# Altium PCB TG102LE4G_A7682_240822.PcbDoc (part 2 of 2) (continued)
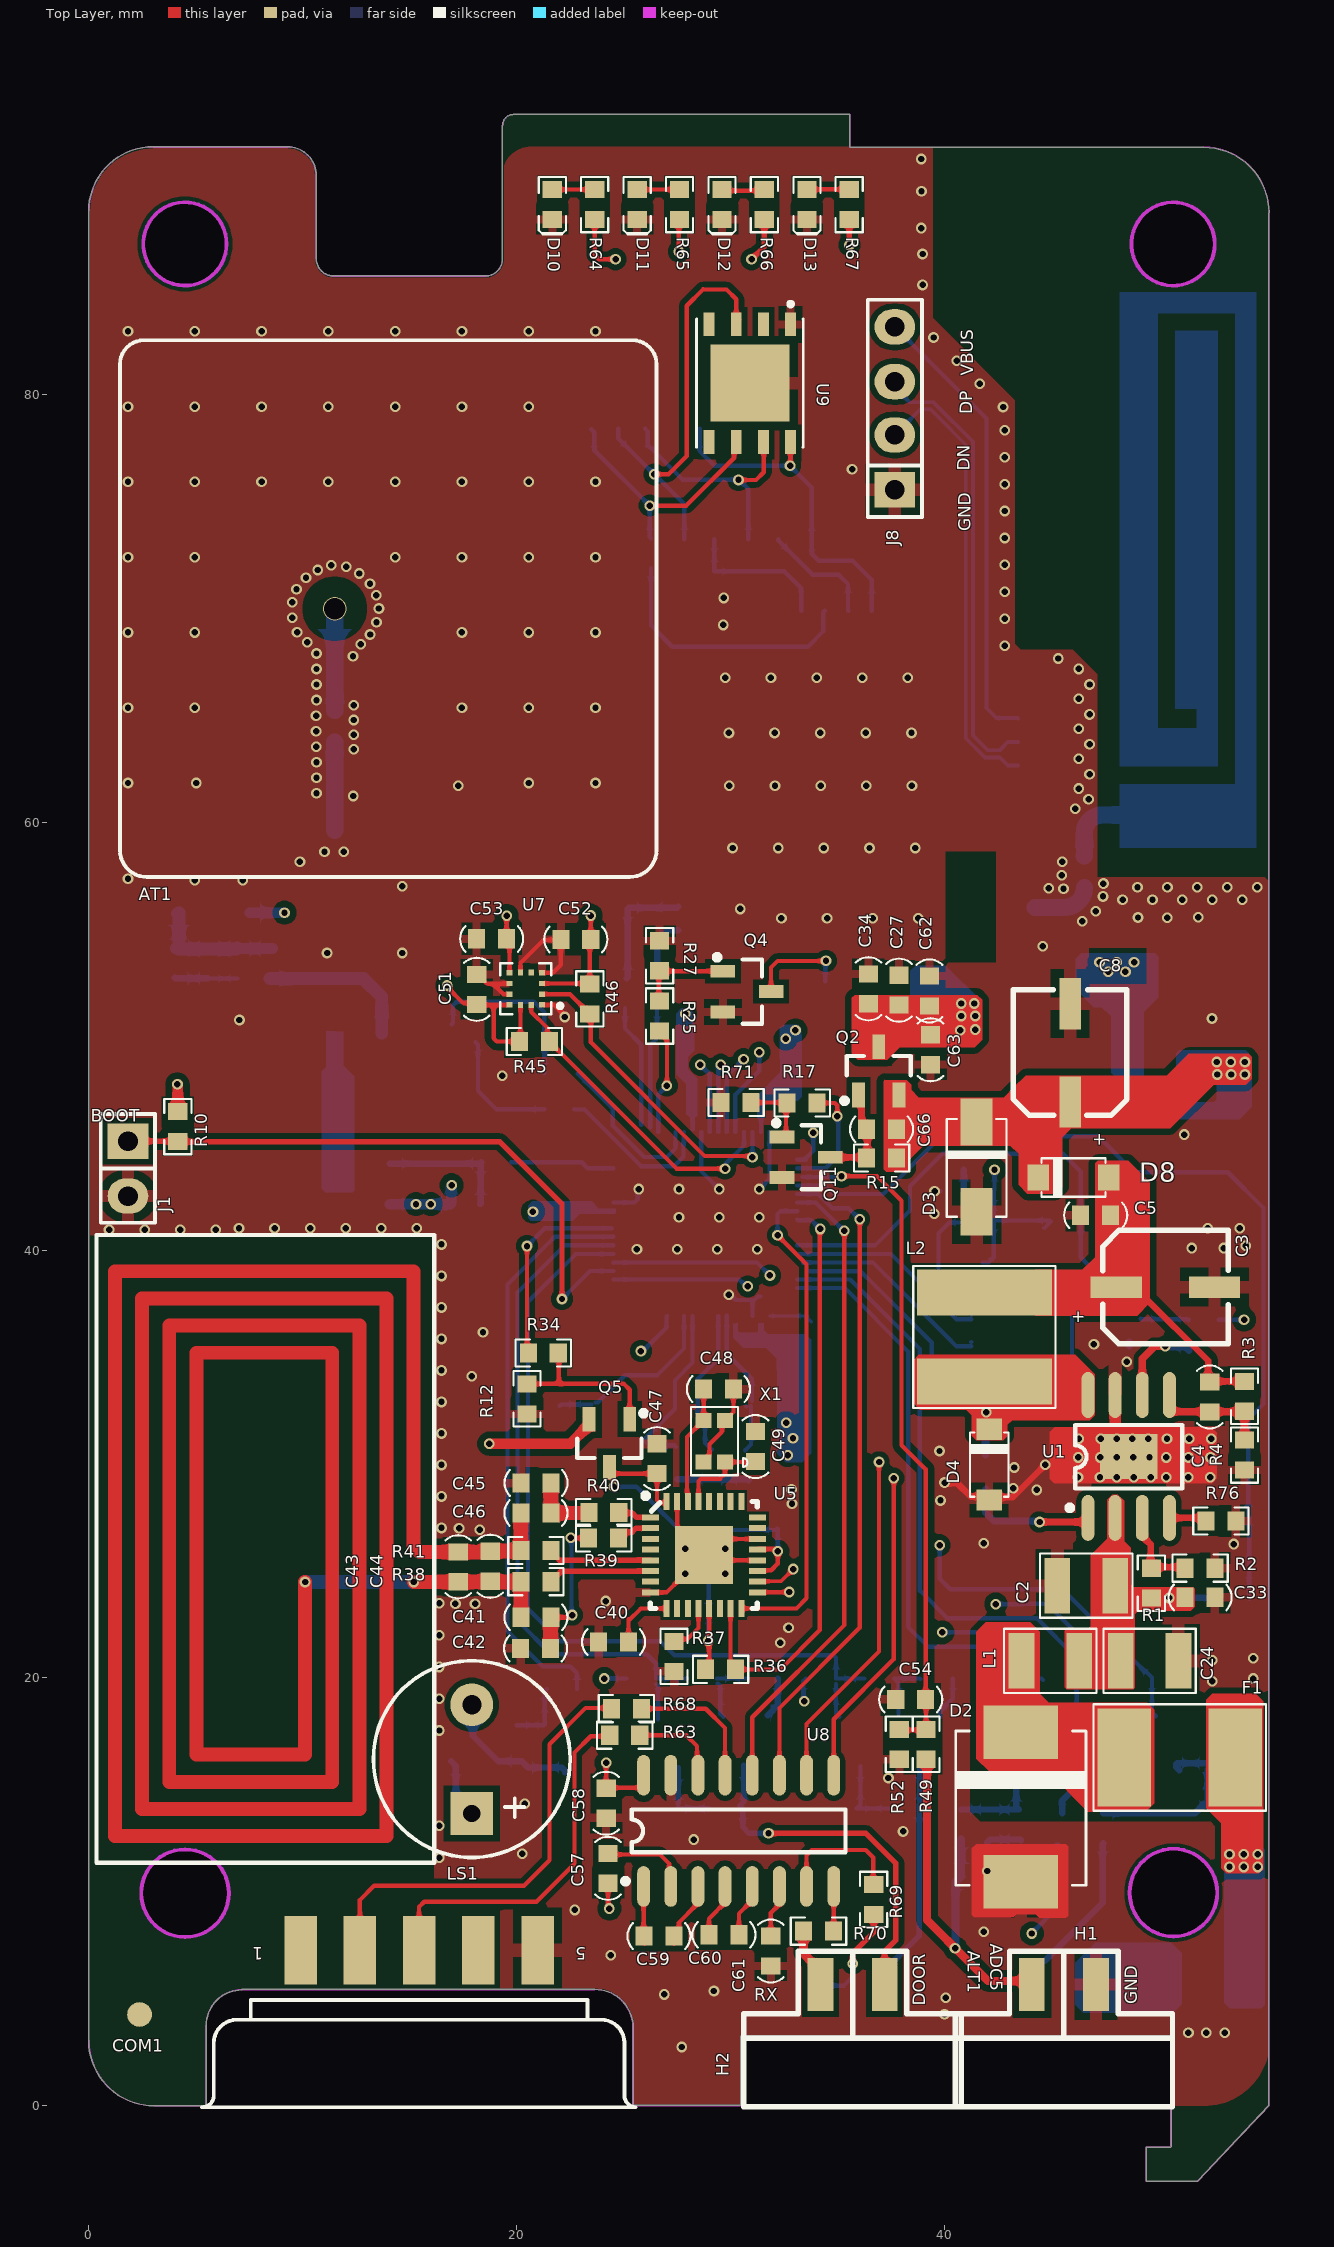
[diagram p0: Top Layer view]
## Nets (pads, with @x,y where several pads share a name; then routed paths per layer and width w, separated by ;. In a path a pad name is that pad's centre, name@x,y a point inside that pad or via, vN(x,y) a via of type N, cw(c..) or ccw(c..) an arc to the next point about the centre after c; other vN are vias at no path point) (continued)

## Polygon pours and split planes (outlines as drawn)
GND on Bottom Layer "Bottom Layer-GND 1" (solid, pour order 32): 54.885,83.945 54.885,61.675 54.885,58.945 48.755,58.945 48.755,60.077 47.39,60.077 47.376,60.08 47.374,60.079 47.359,60.076 47.351,60.078 47.189,60.046 47.167,60.031 47.14,60.026 47.003,59.934 46.988,59.912 46.966,59.897 46.874,59.76 46.869,59.733 46.854,59.711 46.822,59.549 46.824,59.541 46.821,59.526 46.82,59.524 46.823,59.51 46.823,59.003 46.82,58.99 46.823,58.977 46.823,58.003 46.799,57.887 46.741,57.799 46.653,57.741 46.55,57.72 46.447,57.741 46.359,57.799 46.301,57.887 46.277,58.003 46.277,58.977 46.28,58.99 46.277,59.003 46.277,59.51 46.28,59.523 46.277,59.536 46.313,59.808 46.423,60.074 46.598,60.302 46.826,60.477 47.092,60.587 47.364,60.623 47.377,60.62 47.39,60.623 48.755,60.623 48.755,61.675 48.765,61.675 49.995,61.675 54.155,61.675 54.155,83.945 50.285,83.945 50.285,64.275 52.355,64.275 52.355,65.445 51.355,65.445 51.355,82.875 52.355,82.875 53.084,82.875 53.084,64.275 53.085,64.275 53.085,62.745 48.755,62.745 48.755,64.275 48.755,83.945 48.755,84.675 54.885,84.675
GND on Bottom Layer "GND_L04_P001" (solid, remove dead copper, pour order 1): 3.048,-0.013 5.48,-0.013 5.493,0 5.493,3.752 5.493,3.76 cw(c7.148,3.752) 7.148,5.407 23.665,5.407 cw(c23.665,3.644) 25.427,3.653 25.427,0 25.44,-0.013 30.505,-0.013 30.518,0 30.518,3.238 50.584,3.238 50.584,0 50.597,-0.013 52.152,-0.013 ccw(c52.152,3.048) 55.213,3.048 55.213,88.515 ccw(c52.126,88.515) 52.126,91.602 20.678,91.602 20.675,91.602 ccw(c20.683,90.26) 19.342,90.254 19.342,90.253 19.342,86.311 cw(c18.529,86.374) 18.566,85.56 11.386,85.56 cw(c11.45,86.373) 10.635,86.336 10.635,90.26 ccw(c9.294,90.26) 9.299,91.602 3,91.602 ccw(c3,88.589) -0.013,88.589 -0.013,3.048 ccw(c3.048,3.048)
GND on Bottom Layer "Bottom Layer-GND" (solid, pour order 33): 46.66,57.198 46.746,57.141 46.804,57.053 46.828,56.935 46.789,56.641 46.67,56.352 46.48,56.105 46.233,55.915 45.944,55.796 45.65,55.757 45.635,55.76 45.622,55.757 45.433,55.757 45.42,55.76 45.407,55.757 42.958,55.757 42.842,55.781 42.754,55.839 42.696,55.927 42.675,56.03 42.696,56.133 42.754,56.221 42.842,56.279 42.958,56.303 45.407,56.303 45.42,56.3 45.433,56.303 45.622,56.303 45.639,56.299 45.646,56.302 45.649,56.303 45.661,56.3 45.859,56.34 45.882,56.354 45.908,56.36 46.076,56.472 46.091,56.494 46.113,56.509 46.225,56.677 46.231,56.703 46.245,56.726 46.285,56.924 46.282,56.936 46.283,56.939 46.287,56.95 46.286,56.954 46.306,57.053 46.364,57.141 46.43,57.185 46.43,57.385 46.66,57.385
GND on Bottom Layer "Bottom Layer-GND 3" (solid, pour order 38): 11.577,64.846 11.95,64.846 12.126,64.823 12.29,64.755 12.431,64.646 12.54,64.505 12.608,64.341 12.631,64.165 12.631,63.365 12.608,63.189 12.589,63.143 12.589,62.325 12.589,60.351 12.589,60.35 12.589,59.35 12.58,59.284 12.576,59.217 12.545,59.061 12.53,59.019 12.522,58.975 12.502,58.935 12.488,58.893 12.463,58.856 12.443,58.815 12.355,58.683 12.325,58.65 12.3,58.613 12.267,58.583 12.237,58.55 12.2,58.525 12.167,58.495 12.034,58.407 11.994,58.387 11.957,58.362 11.915,58.348 11.875,58.328 11.831,58.32 11.789,58.305 11.633,58.274 11.588,58.271 11.545,58.263 11.5,58.265 11.456,58.263 11.412,58.271 11.367,58.274 11.211,58.305 11.169,58.32 11.125,58.328 11.085,58.348 11.043,58.362 11.006,58.387 10.966,58.407 10.833,58.495 10.8,58.525 10.763,58.55 10.733,58.583 10.7,58.613 10.675,58.65 10.645,58.683 10.557,58.815 10.537,58.856 10.513,58.893 10.498,58.935 10.478,58.975 10.47,59.019 10.455,59.061 10.424,59.217 10.42,59.284 10.411,59.35 10.411,60.35 10.411,62.325 10.411,63.143 10.392,63.189 10.369,63.365 10.369,64.165 10.392,64.341 10.46,64.505 10.569,64.646 10.71,64.755 10.874,64.823 11.05,64.846 11.423,64.846 11.455,64.852 11.5,64.849 11.545,64.852
GND on Bottom Layer "Bottom Layer-GND 2" (solid, pour order 37): 11.589,71.936 11.915,71.893 11.951,71.883 12.087,71.847 12.391,71.721 12.447,71.688 12.545,71.632 12.806,71.432 12.932,71.306 13.132,71.045 13.221,70.891 13.347,70.587 13.381,70.461 13.393,70.415 13.436,70.089 13.436,70.044 13.442,70 13.436,69.956 13.436,69.911 13.393,69.585 13.383,69.549 13.347,69.413 13.221,69.109 13.188,69.053 13.132,68.955 12.932,68.694 12.806,68.568 12.589,68.402 12.589,65.787 12.608,65.741 12.631,65.565 12.631,64.765 12.608,64.589 12.54,64.425 12.431,64.284 12.29,64.175 12.126,64.107 11.95,64.084 11.05,64.084 10.874,64.107 10.71,64.175 10.569,64.284 10.46,64.425 10.392,64.589 10.369,64.765 10.369,65.565 10.392,65.741 10.411,65.787 10.411,68.402 10.194,68.568 10.068,68.694 9.868,68.955 9.779,69.109 9.653,69.413 9.619,69.539 9.607,69.585 9.564,69.911 9.564,69.956 9.558,70 9.564,70.044 9.564,70.089 9.607,70.415 9.617,70.451 9.653,70.587 9.779,70.891 9.812,70.947 9.868,71.045 10.068,71.306 10.194,71.432 10.455,71.632 10.609,71.721 10.913,71.847 11.039,71.881 11.085,71.893 11.411,71.936 11.589,71.936
V_MCU on Signal1 Layer "V_MCU_L02_P003" (solid, remove dead copper, pour order 3): 3.048,-0.013 5.48,-0.013 5.493,0 5.493,3.752 5.493,3.76 cw(c7.148,3.752) 7.148,5.407 23.665,5.407 cw(c23.665,3.644) 25.427,3.653 25.427,0 25.44,-0.013 30.505,-0.013 30.518,0 30.518,3.238 50.584,3.238 50.584,0 50.597,-0.013 52.152,-0.013 ccw(c52.152,3.048) 55.213,3.048 55.213,88.515 ccw(c52.126,88.515) 52.126,91.602 20.678,91.602 20.675,91.602 ccw(c20.683,90.26) 19.342,90.254 19.342,90.253 19.342,86.311 cw(c18.529,86.374) 18.566,85.56 11.386,85.56 cw(c11.45,86.373) 10.635,86.336 10.635,90.26 ccw(c9.294,90.26) 9.299,91.602 3,91.602 ccw(c3,88.589) -0.013,88.589 -0.013,3.048 ccw(c3.048,3.048)
GND on Signal2 layer "GND_L03_P002" (solid, remove dead copper, pour order 2): 3.048,-0.013 5.48,-0.013 5.493,0 5.493,3.752 5.493,3.76 cw(c7.148,3.752) 7.148,5.407 23.665,5.407 cw(c23.665,3.644) 25.427,3.653 25.427,0 25.44,-0.013 30.505,-0.013 30.518,0 30.518,3.238 50.584,3.238 50.584,0 50.597,-0.013 52.152,-0.013 ccw(c52.152,3.048) 55.213,3.048 55.213,88.515 ccw(c52.126,88.515) 52.126,91.602 20.678,91.602 20.675,91.602 ccw(c20.683,90.26) 19.342,90.254 19.342,90.253 19.342,86.311 cw(c18.529,86.374) 18.566,85.56 11.386,85.56 cw(c11.45,86.373) 10.635,86.336 10.635,90.26 ccw(c9.294,90.26) 9.299,91.602 3,91.602 ccw(c3,88.589) -0.013,88.589 -0.013,3.048 ccw(c3.048,3.048)
GND on Top Layer "GND_L01_P000" (solid, remove dead copper, pour order 0): 3.048,-0.013 5.48,-0.013 5.493,0 5.493,3.752 5.493,3.76 cw(c7.148,3.752) 7.148,5.407 23.665,5.407 cw(c23.665,3.644) 25.427,3.653 25.427,0 25.44,-0.013 30.505,-0.013 30.518,0 30.518,3.238 50.584,3.238 50.584,0 50.597,-0.013 52.152,-0.013 ccw(c52.152,3.048) 55.213,3.048 55.213,88.515 ccw(c52.126,88.515) 52.126,91.602 20.678,91.602 20.675,91.602 ccw(c20.683,90.26) 19.342,90.254 19.342,90.253 19.342,86.311 cw(c18.529,86.374) 18.566,85.56 11.386,85.56 cw(c11.45,86.373) 10.635,86.336 10.635,90.26 ccw(c9.294,90.26) 9.299,91.602 3,91.602 ccw(c3,88.589) -0.013,88.589 -0.013,3.048 ccw(c3.048,3.048)

## Keep-outs
Keep-Out Layer:
  circle w0.178: c4.492,87.058 r1.95
  circle w0.178: c4.497,9.933 r2.05
  circle w0.178: c50.718,9.959 r2.05
  circle w0.178: c50.702,87.054 r1.95
  lines w0.025: 19.355,90.253 19.355,86.311 ; 19.843,93.127 33.838,93.127 35.6,93.127 35.6,91.589 52.126,91.589 ; 19.853,93.097 ccw(c19.855,92.597) 19.355,92.594 19.355,86.311 ; 50.597,3.251 30.505,3.251 ; 51.865,-3.545 49.44,-3.545 49.44,-1.925 50.592,-1.925 50.592,3.251 30.505,3.251 ; 0,3.048 ccw(c3.048,3.048) 3.048,0 ; 0,3.048 ccw(c3.048,3.048) 3.048,0 ; 0,3.048 0,88.589 ; 0,3.048 0,88.589 ; 0,88.589 cw(c3,88.589) 3,91.589 ccw(c3,88.589) 0,88.589 ; 3.048,0 5.48,0 ; 3.048,0 5.48,0 ; 5.48,0 5.48,3.752 5.48,0 ; 9.299,91.589 cw(c9.294,90.26) 10.622,90.253 ; 9.299,91.589 cw(c9.294,90.26) 10.622,90.253 ; 9.299,91.589 3.021,91.589 9.299,91.589 ; 10.622,90.253 10.622,86.339 10.622,90.253 ; 18.566,85.547 ccw(c18.529,86.374) 19.355,86.311 ; 18.566,85.547 ccw(c18.529,86.374) 19.355,86.311 ; 18.566,85.547 11.354,85.547 18.566,85.547 ; 25.44,0 30.505,0 ; 25.44,0 30.505,0 ; 25.44,0 25.44,3.653 ; 25.44,0 25.44,3.653 ; 25.44,3.653 ccw(c23.665,3.644) 23.63,5.42 cw(c23.665,3.644) 25.44,3.653 ; 30.505,0 30.505,3.251 ; 52.126,91.589 cw(c52.126,88.515) 55.2,88.515 ccw(c52.126,88.515) 52.126,91.589 ; 5.48,3.76 cw(c7.148,3.752) 7.18,5.42 ccw(c7.148,3.752) 5.48,3.76 ; 7.148,5.42 23.665,5.42 7.148,5.42 ; 10.622,86.336 ccw(c11.45,86.373) 11.386,85.547 cw(c11.45,86.373) 10.622,86.336 ; 55.193,3.043 55.198,88.515 55.193,3.043
  lines w0.03: 51.865,-3.545 55.195,0 55.195,3.043

## Other copper
Top Layer:
  pour cut-out: 22.89,23.315 22.885,24.715 22.94,23.265
  region net 4V: 43.475,44.5 43.085,44.89 39.025,44.89 38.365,44.23 38.365,43.76 38.265,43.66 37.285,43.66 37.16,43.785 37.16,47.91 37.215,47.965 37.23,47.95 38.24,47.95 38.446,47.744 38.446,47.494 38.805,47.135 42.775,47.135 43.275,47.635 43.81,48.17 50.415,48.17 51.425,49.18 54.23,49.18 54.385,49.025 54.385,48.025 54.104,47.744 52.609,47.744 50.57,45.705 45.93,45.705 45.51,45.285 45.51,42.95 45.205,42.645 43.89,42.645 43.475,43.06
  region net NetC3_1: 44.245,39.085 46.465,39.085 47.055,39.675 47.055,44.06 47.175,44.18 48.605,44.18 49.61,43.175 49.61,37.535 49.015,36.94 44.245,36.94
  region net NetC1_2: 41.03,32.55 41.29,32.29 41.29,31.32 41.487,31.123 42.769,31.123 42.955,31.309 42.955,31.84 43.175,32.06 46.81,32.06 47.04,32.29 47.04,34.205 46.135,35.11 38.815,35.11 38.565,34.86 38.565,32.835 38.85,32.55
  region net GND: 43.1,8.8 41.41,8.8 41.29,8.92 41.29,12.03 41.49,12.23 45.69,12.23 45.79,12.13 45.79,8.87 45.71,8.79 44.44,8.79 44.29,8.94 43.36,8.94 43.24,8.82
  region net GND: 44.94,31.52 44.94,29.31 45.14,29.11 52.53,29.11 52.75,29.33 52.75,31.47 52.49,31.73 45.16,31.73 44.95,31.52
  pour cut-out: 41.19,16.248 41.19,13.77 41.69,13.27 52.45,13.27 52.58,13.4 52.19,13.79 49.67,13.79 49.4,13.52 46.81,13.52 44.8,15.53 42.12,15.53 41.639,16.011
  pour cut-out: 38.59,38.54 38.59,34.65 46.135,34.65 46.135,38.54
  pour cut-out: 46.02,22.59 46.02,26.3 46.16,26.44 46.28,26.44 46.33,26.39 46.25,26.31 46.25,22.48
  pour cut-out: 50.22,22.97 50.22,19.14 50.12,19.04 50.12,22.94 50.19,23.01
  region net V_CHECK: 47.62,26.51 47.62,28.34 47.85,28.57 48.12,28.57 48.41,28.28 48.41,26.4 48.72,26.09 48.72,24.38 48.85,24.25 51.65,24.25 51.72,24.18 51.72,23.33 51.53,23.14 49.08,23.14 48.91,22.97 48.91,19.53 48.85,19.47 45.73,19.47 45.63,19.57 45.63,22.21 45.73,22.31 46.74,22.31 46.85,22.42 46.85,25.74
  region net NetD2_2: 41.5,22.16 41.5,16.23 42.1,15.63 44.831,15.63 46.721,13.74 49.418,13.74 49.828,14.15 49.828,18.5 49.488,18.84 44.887,18.84 44.463,19.264 44.463,22.17 44.033,22.6 41.941,22.6 41.502,22.161
  pour cut-out: 49.951,19.1 49.873,19.022 49.873,13.74 50.009,13.604 51.704,13.604 51.965,13.865 51.965,18.966 51.839,19.092
  region net NetD1_2: 52.26,18.988 52.26,13.9 52.96,13.2 52.96,11.09 53.19,10.86 54.71,10.86 54.91,11.06 54.91,18.92 54.568,19.262 52.534,19.262
  pour cut-out: 46.78,52.45 49.453,52.45 49.453,54.11 46.78,54.11
  pour cut-out: 55.649,57.435 47.148,57.435 47.148,95.35 55.649,95.35
  region net VCC_GSM: 37.917,49.497 37.333,48.912 35.961,48.912 35.669,49.204 35.669,51.796 35.808,51.935 41.549,51.935 41.778,51.706 41.778,49.852 41.422,49.497
Signal1 Layer:
  pour cut-out: 45.335,61.09 cw(c45.575,61.09) 45.575,61.33 47.445,61.33 cw(c47.445,61.109) 47.666,61.109 47.666,55.57 cw(c47.136,55.57) 47.136,55.04 42.875,55.04 cw(c42.875,55.635) 42.28,55.635 42.28,55.96 42.282,56.545 cw(c42.922,56.545) 42.922,57.185 44.98,57.185 ccw(c44.98,57.54) 45.335,57.54
  pour cut-out: 11.583,64.967 11.95,64.967 12.158,64.939 12.351,64.859 12.517,64.732 12.644,64.566 12.724,64.373 12.752,64.165 12.752,63.365 12.747,63.33 12.748,63.325 12.744,63.305 12.724,63.157 12.714,63.133 12.71,63.032 12.71,62.325 12.71,60.351 12.71,60.35 12.71,59.35 12.699,59.272 12.694,59.193 12.663,59.037 12.646,58.988 12.636,58.936 12.613,58.889 12.596,58.839 12.567,58.795 12.544,58.748 12.455,58.616 12.42,58.576 12.391,58.533 12.352,58.498 12.317,58.459 12.273,58.429 12.234,58.395 12.102,58.306 12.054,58.283 12.011,58.254 11.961,58.237 11.914,58.214 11.862,58.204 11.813,58.187 11.656,58.156 11.604,58.152 11.552,58.142 11.5,58.145 11.448,58.142 11.396,58.152 11.344,58.156 11.188,58.187 11.138,58.204 11.086,58.214 11.039,58.237 10.989,58.254 10.946,58.283 10.898,58.306 10.766,58.395 10.727,58.429 10.683,58.459 10.648,58.498 10.609,58.533 10.58,58.576 10.545,58.616 10.457,58.748 10.433,58.795 10.404,58.839 10.387,58.889 10.364,58.936 10.354,58.988 10.337,59.037 10.306,59.193 10.301,59.272 10.29,59.35 10.29,60.35 10.29,62.325 10.29,62.822 10.267,63.224 10.256,63.305 10.252,63.325 10.253,63.33 10.248,63.365 10.248,64.165 10.276,64.373 10.356,64.566 10.483,64.732 10.649,64.859 10.842,64.939 11.05,64.967 11.417,64.967 11.448,64.973 11.5,64.969 11.552,64.973
  pour cut-out: 11.931,72.013 12.079,71.973 12.133,71.959 12.437,71.833 12.618,71.728 12.88,71.528 13.028,71.38 13.228,71.118 13.333,70.937 13.459,70.633 13.473,70.579 13.513,70.431 13.556,70.105 13.556,70.052 13.563,70 13.556,69.948 13.556,69.895 13.513,69.569 13.473,69.421 13.459,69.367 13.333,69.063 13.228,68.882 13.028,68.62 12.88,68.472 12.809,68.418 12.799,68.409 12.786,68.394 12.773,68.376 12.761,68.354 12.747,68.324 12.734,68.285 12.722,68.236 12.712,68.174 12.71,68.153 12.71,66.108 12.733,65.706 12.744,65.625 12.748,65.605 12.747,65.6 12.752,65.565 12.752,64.765 12.724,64.557 12.644,64.364 12.517,64.198 12.351,64.071 12.158,63.991 11.95,63.963 11.05,63.963 10.842,63.991 10.649,64.071 10.483,64.198 10.356,64.364 10.276,64.557 10.248,64.765 10.248,65.565 10.253,65.6 10.252,65.605 10.256,65.625 10.276,65.773 10.286,65.797 10.29,65.898 10.29,68.153 10.288,68.174 10.278,68.236 10.266,68.285 10.253,68.324 10.239,68.354 10.227,68.376 10.214,68.394 10.201,68.409 10.191,68.418 10.12,68.472 9.972,68.62 9.772,68.882 9.667,69.063 9.541,69.367 9.527,69.421 9.487,69.569 9.444,69.895 9.444,69.948 9.437,70 9.444,70.052 9.444,70.105 9.487,70.431 9.527,70.579 9.541,70.633 9.667,70.937 9.772,71.118 9.972,71.38 10.12,71.528 10.382,71.728 10.563,71.833 10.867,71.959 10.921,71.973 11.069,72.013 11.395,72.056 11.5,72.056 11.605,72.056
  pour cut-out: 52.85,12.33 52.59,12.07 52.59,10.81 53.07,10.33 55.02,10.33 55.14,10.45 55.14,12.13 54.88,12.39 52.92,12.39 52.91,12.38
  pour cut-out: 40.14,51.88 40.14,49.94 40.34,49.74 41.77,49.74 42.05,50.02 42.05,51.89 41.85,52.09 40.32,52.09
  pour cut-out: 52.15,47.83 52.42,47.56 54.43,47.56 54.67,47.8 54.67,49.15 54.4,49.42 52.45,49.42 52.15,49.12
Signal2 layer:
  pour cut-out: 45.335,61.09 cw(c45.575,61.09) 45.575,61.33 47.445,61.33 cw(c47.445,61.109) 47.666,61.109 47.666,55.57 cw(c47.136,55.57) 47.136,55.04 42.875,55.04 cw(c42.875,55.635) 42.28,55.635 42.28,55.96 42.282,56.545 cw(c42.922,56.545) 42.922,57.185 44.98,57.185 ccw(c44.98,57.54) 45.335,57.54
  pour cut-out: 11.583,64.967 11.95,64.967 12.158,64.939 12.351,64.859 12.517,64.732 12.644,64.566 12.724,64.373 12.752,64.165 12.752,63.365 12.747,63.33 12.748,63.325 12.744,63.305 12.724,63.157 12.714,63.133 12.71,63.032 12.71,62.325 12.71,60.351 12.71,60.35 12.71,59.35 12.699,59.272 12.694,59.193 12.663,59.037 12.646,58.988 12.636,58.936 12.613,58.889 12.596,58.839 12.567,58.795 12.544,58.748 12.455,58.616 12.42,58.576 12.391,58.533 12.352,58.498 12.317,58.459 12.273,58.429 12.234,58.395 12.102,58.306 12.054,58.283 12.011,58.254 11.961,58.237 11.914,58.214 11.862,58.204 11.813,58.187 11.656,58.156 11.604,58.152 11.552,58.142 11.5,58.145 11.448,58.142 11.396,58.152 11.344,58.156 11.188,58.187 11.138,58.204 11.086,58.214 11.039,58.237 10.989,58.254 10.946,58.283 10.898,58.306 10.766,58.395 10.727,58.429 10.683,58.459 10.648,58.498 10.609,58.533 10.58,58.576 10.545,58.616 10.457,58.748 10.433,58.795 10.404,58.839 10.387,58.889 10.364,58.936 10.354,58.988 10.337,59.037 10.306,59.193 10.301,59.272 10.29,59.35 10.29,60.35 10.29,62.325 10.29,62.822 10.267,63.224 10.256,63.305 10.252,63.325 10.253,63.33 10.248,63.365 10.248,64.165 10.276,64.373 10.356,64.566 10.483,64.732 10.649,64.859 10.842,64.939 11.05,64.967 11.417,64.967 11.448,64.973 11.5,64.969 11.552,64.973
  pour cut-out: 11.931,72.013 12.079,71.973 12.133,71.959 12.437,71.833 12.618,71.728 12.88,71.528 13.028,71.38 13.228,71.118 13.333,70.937 13.459,70.633 13.473,70.579 13.513,70.431 13.556,70.105 13.556,70.052 13.563,70 13.556,69.948 13.556,69.895 13.513,69.569 13.473,69.421 13.459,69.367 13.333,69.063 13.228,68.882 13.028,68.62 12.88,68.472 12.809,68.418 12.799,68.409 12.786,68.394 12.773,68.376 12.761,68.354 12.747,68.324 12.734,68.285 12.722,68.236 12.712,68.174 12.71,68.153 12.71,66.108 12.733,65.706 12.744,65.625 12.748,65.605 12.747,65.6 12.752,65.565 12.752,64.765 12.724,64.557 12.644,64.364 12.517,64.198 12.351,64.071 12.158,63.991 11.95,63.963 11.05,63.963 10.842,63.991 10.649,64.071 10.483,64.198 10.356,64.364 10.276,64.557 10.248,64.765 10.248,65.565 10.253,65.6 10.252,65.605 10.256,65.625 10.276,65.773 10.286,65.797 10.29,65.898 10.29,68.153 10.288,68.174 10.278,68.236 10.266,68.285 10.253,68.324 10.239,68.354 10.227,68.376 10.214,68.394 10.201,68.409 10.191,68.418 10.12,68.472 9.972,68.62 9.772,68.882 9.667,69.063 9.541,69.367 9.527,69.421 9.487,69.569 9.444,69.895 9.444,69.948 9.437,70 9.444,70.052 9.444,70.105 9.487,70.431 9.527,70.579 9.541,70.633 9.667,70.937 9.772,71.118 9.972,71.38 10.12,71.528 10.382,71.728 10.563,71.833 10.867,71.959 10.921,71.973 11.069,72.013 11.395,72.056 11.5,72.056 11.605,72.056
  pour cut-out: 34.23,30.68 34.23,28.5 34.39,28.34 35.16,28.34 35.42,28.6 35.42,30.69 35.31,30.8 34.34,30.8 34.24,30.7
  pour cut-out: 52.58,10.82 53.01,10.39 55.06,10.39 55.12,10.45 55.12,12.23 54.98,12.37 52.69,12.37 52.58,12.26
  pour cut-out: 40.12,51.99 40.12,50.06 40.55,49.63 41.81,49.63 42.13,49.95 42.13,51.88 41.83,52.18 40.31,52.18
  pour cut-out: 52.06,47.64 52.22,47.48 54.41,47.48 54.71,47.78 54.71,49.14 54.35,49.5 52.32,49.5 52.06,49.24
  pour cut-out: 45.89,52.375 50.34,52.375 50.34,54.15 45.89,54.15
Bottom Layer:
  pour cut-out: 36.875,82.39 36.855,81.335 36.87,81.36
  pour cut-out: 47.345,15.155 47.385,14.255 47.415,14.275 47.375,15.195
  pour cut-out: 53.445,13.64 53.465,12.355 53.43,12.36 53.4,13.635
  pour cut-out: 11.556,64.333 11.95,64.333 12.014,64.32 12.069,64.284 12.105,64.229 12.118,64.165 12.118,63.365 12.105,63.301 12.076,63.257 12.076,62.325 12.076,60.35 12.076,59.35 12.073,59.334 12.073,59.317 12.042,59.161 12.017,59.1 11.928,58.968 11.882,58.922 11.75,58.833 11.689,58.808 11.533,58.777 11.467,58.777 11.311,58.808 11.251,58.833 11.118,58.922 11.072,58.968 10.983,59.1 10.958,59.161 10.927,59.317 10.927,59.334 10.924,59.35 10.924,60.35 10.924,62.325 10.924,63.257 10.895,63.301 10.882,63.365 10.882,64.165 10.895,64.229 10.931,64.284 10.986,64.32 11.05,64.333 11.444,64.333 11.467,64.338 11.533,64.338
  pour cut-out: 11.848,71.385 11.869,71.377 11.891,71.373 12.195,71.247 12.213,71.235 12.233,71.225 12.494,71.025 12.508,71.008 12.525,70.994 12.725,70.733 12.735,70.713 12.747,70.695 12.873,70.391 12.877,70.369 12.885,70.348 12.928,70.022 12.927,70.011 12.929,70 12.927,69.989 12.928,69.978 12.885,69.652 12.877,69.631 12.873,69.609 12.747,69.305 12.735,69.287 12.725,69.267 12.525,69.006 12.508,68.992 12.494,68.975 12.233,68.775 12.213,68.765 12.195,68.753 12.076,68.704 12.076,65.673 12.105,65.629 12.118,65.565 12.118,64.765 12.105,64.701 12.069,64.646 12.014,64.61 11.95,64.597 11.05,64.597 10.986,64.61 10.931,64.646 10.895,64.701 10.882,64.765 10.882,65.565 10.895,65.629 10.924,65.673 10.924,68.704 10.805,68.753 10.787,68.765 10.767,68.775 10.506,68.975 10.492,68.992 10.475,69.006 10.275,69.267 10.265,69.287 10.253,69.305 10.127,69.609 10.123,69.631 10.115,69.652 10.072,69.978 10.073,69.989 10.071,70 10.073,70.011 10.072,70.022 10.115,70.348 10.123,70.369 10.127,70.391 10.253,70.695 10.265,70.713 10.275,70.733 10.475,70.994 10.492,71.008 10.506,71.025 10.767,71.225 10.787,71.235 10.805,71.247 11.109,71.373 11.131,71.377 11.152,71.385 11.478,71.428 11.5,71.426 11.522,71.428
  region net VCC_GPS: 11.895,50.21 11.895,48.65 12.405,48.14 12.405,42.78 12.33,42.705 11.065,42.705 10.885,42.885 10.885,48.36 11.105,48.58 11.105,50.26
  pour cut-out: 55.084,84.966 55.139,84.929 55.175,84.875 55.188,84.81 55.188,61.811 55.188,61.81 55.188,58.81 55.175,58.745 55.139,58.691 55.084,58.654 55.02,58.642 48.62,58.642 48.556,58.654 48.501,58.691 48.465,58.745 48.452,58.81 48.452,59.774 47.377,59.774 47.281,59.755 47.2,59.7 47.145,59.619 47.126,59.523 47.126,58.99 47.126,57.99 47.123,57.974 47.123,57.957 47.092,57.801 47.067,57.741 46.978,57.608 46.955,57.585 46.952,57.571 46.916,57.516 46.861,57.48 46.797,57.467 46.785,57.467 46.739,57.448 46.583,57.417 46.517,57.417 46.361,57.448 46.315,57.467 46.297,57.467 46.233,57.48 46.178,57.516 46.142,57.571 46.137,57.593 46.122,57.608 46.033,57.741 46.008,57.801 45.977,57.957 45.977,57.974 45.974,57.99 45.974,58.99 45.974,59.509 45.971,59.523 45.973,59.534 45.973,59.545 46.015,59.865 46.022,59.886 46.026,59.908 46.15,60.206 46.162,60.224 46.172,60.244 46.369,60.5 46.385,60.515 46.4,60.531 46.656,60.728 46.676,60.738 46.694,60.75 46.992,60.874 47.014,60.878 47.035,60.885 47.355,60.927 47.366,60.927 47.377,60.929 47.391,60.926 48.452,60.926 48.452,61.81 48.465,61.874 48.501,61.929 48.556,61.965 48.62,61.978 48.629,61.978 48.63,61.978 50.13,61.978 50.131,61.978 53.852,61.978 53.852,83.642 50.588,83.642 50.588,64.578 52.051,64.578 52.051,65.142 51.219,65.142 51.155,65.155 51.1,65.191 51.064,65.246 51.051,65.31 51.051,83.01 51.064,83.074 51.1,83.129 51.155,83.165 51.219,83.178 52.219,83.178 53.219,83.178 53.284,83.165 53.338,83.129 53.375,83.074 53.388,83.01 53.388,64.412 53.388,64.41 53.388,62.61 53.375,62.545 53.339,62.491 53.284,62.454 53.22,62.442 48.62,62.442 48.556,62.454 48.501,62.491 48.465,62.545 48.452,62.61 48.452,64.41 48.452,83.81 48.452,84.81 48.465,84.875 48.501,84.929 48.556,84.966 48.62,84.978 55.02,84.978
  pour cut-out: 10.94,64.265 12.105,64.265 12.105,64.68 10.94,64.68
  region net V_MCU: 30.59,35.44 31.66,35.44 32.175,34.925 32.195,33.815 32.195,30.48 32.59,30.085 33.37,30.085 33.78,30.495 33.78,32.78 33.78,35.805 33.51,36.075 31.765,36.075 31.555,36.285 31.555,36.58 31.325,36.58 31.31,36.565 31.31,36.215 31.23,36.135 30.44,36.135 30.35,36.225 30.35,36.6 30.13,36.553 30.13,35.9
  region net V_MCU: 22.95,41.71 24.595,41.71 24.64,41.755 24.64,41.93 24.62,41.95 23.855,41.95 23.525,42.28 20.73,42.28 20.54,42.09 20.54,41.51 20.67,41.38 22.62,41.38
  pour cut-out: 46.859,57.675 46.914,57.639 46.95,57.584 46.963,57.52 46.963,57.352 46.983,57.332 47.072,57.199 47.097,57.139 47.121,57.015 47.122,57.014 47.124,57.003 47.129,56.994 47.13,56.972 47.135,56.95 47.132,56.939 47.133,56.928 47.088,56.583 47.081,56.563 47.076,56.541 46.943,56.22 46.931,56.202 46.921,56.182 46.71,55.906 46.693,55.892 46.679,55.875 46.403,55.664 46.383,55.654 46.365,55.642 46.044,55.509 46.022,55.504 46.002,55.497 45.657,55.452 45.646,55.453 45.635,55.45 45.617,55.454 42.945,55.454 42.929,55.457 42.912,55.457 42.756,55.488 42.696,55.513 42.563,55.602 42.54,55.625 42.517,55.648 42.428,55.781 42.403,55.841 42.372,55.997 42.372,56.063 42.403,56.219 42.428,56.279 42.428,56.28 42.517,56.412 42.54,56.435 42.563,56.458 42.696,56.547 42.756,56.572 42.912,56.603 42.929,56.603 42.945,56.606 45.635,56.606 45.639,56.605 45.767,56.631 45.88,56.705 45.954,56.818 45.98,56.946 45.979,56.95 45.982,56.966 45.982,56.983 46.013,57.139 46.038,57.199 46.127,57.332 46.127,57.52 46.14,57.584 46.176,57.639 46.231,57.675 46.295,57.688 46.795,57.688
  pour cut-out: 45.991,57.005 46.102,57.005 46.102,57.99 45.978,57.99
  region net 4V: 50.85,48.22 50.92,48.15 52.42,48.15 52.74,47.83 52.74,47.06 52.6,46.92 50.8,46.92 50.78,46.9 50.78,46.38 51.03,46.13 53.82,46.13 54.39,46.7 54.39,49.05 54.09,49.35 50.99,49.35 50.85,49.21
  pour cut-out: 50.7,3.28 50.71,3.29 50.71,4.15 50.67,4.19 44.57,4.19 44.57,3.37 44.68,3.26
  region net V_MCU: 27.93,47.755 27.93,46.37 28.14,46.16 28.315,46.16 28.45,46.295 28.45,48.035 28.017,48.463 28.01,48.47 28.01,49.02 28.31,49.32 28.31,51.06 28.05,51.32 27.699,51.32 27.46,51.049 27.46,48.225
  region net V_MCU: 46.15,52.2 46.99,51.36 47.37,51.36 47.8,50.93 47.8,48.302 48.056,48.046 49.196,48.046 49.32,48.17 49.32,51.135 50.012,51.797 50.012,53.735 49.857,53.89 46.4,53.89 46.15,53.64
  pour cut-out: 51.66,7.67 51.24,6.95 51.24,4.63 50.86,4.25 50.73,4.25 50.73,4.08 50.76,4.05 53.1,4.05 53.15,4.1 53.01,4.24 52.98,4.24 52.98,7.52 52.83,7.67
  region net V_MCU: 32.34,48.32 31.25,47.23 31.25,46.185 31.355,46.08 31.51,46.08 31.615,46.185 31.615,46.755 31.845,46.985 32.507,46.988 33.14,46.99 33.33,47.18 33.33,49.795 33.32,50.365 33.13,50.555 32.48,50.555 32.317,50.392 32.317,48.963 32.34,48.94
  region net VCC_GSM: 38.405,53.061 38.405,51.333 40.056,49.682 41.478,49.682 41.758,49.962 41.758,51.638 40.081,53.315 38.659,53.315
  region net NetD1_2: 53.188,12.167 53.1,12.079 53.1,4.8 53.35,4.55 54.83,4.55 54.991,4.711 54.991,11.963 54.788,12.167
  region net VIN: 50.698,4.343 51.105,4.75 51.105,7.13 50.615,7.62 47.066,7.62 46.126,6.68 46.126,4.724 46.507,4.343
Multi-Layer:
  pour cut-out: 39.46,83.595 43.3,79.755 43.3,68.37 43.585,68.085 46,68.085 47.15,66.935 47.15,77.86 47.14,77.87 47.27,91.718 ccw(c47.02,91.72) 47.02,91.97 39.56,91.97 ccw(c39.56,91.87) 39.46,91.87
  pour cut-out: 40.08,53.465 42.41,53.465 42.41,58.625 40.08,58.625
  pour cut-out: -1.46,-0.013 16.154,-0.013 16.154,40.703 -1.46,40.703
  pour cut-out: 55.649,57.435 47.148,57.435 47.148,95.35 55.649,95.35

## Silkscreen, mask and mechanical layers (free items; w line width, h text height)
Top Overlay:
  lines w0.2: 16.154,11.354 0.356,11.354 0.356,40.716 16.154,40.716 16.154,11.379
  text "VBUS" at 41.572,80.903 h1 r90
  text "DP" at 41.527,79.103 h1 r90
  text "DN" at 41.412,76.457 h1 r90
  text "GND" at 41.457,73.619 h1 r90
  text "BOOT" at 0.078,45.796 h1
  text "ADC5" at 41.947,7.57 h1 r270
  text "ALT1" at 40.889,7.249 h1 r270
  text "GND" at 49.24,4.73 h1 r90
  text "RX" at 31.12,4.69 h1
  text "DOOR" at 39.313,4.669 h1 r90
Bottom Overlay:
  text "AIR" at 39.306,6.97 h1 r90
  text "VIN" at 49.356,6.699 h1 r90
  text "TX" at 31.71,5.36 h1 r270
  text "ACC" at 41.937,4.96 h1 r270
Mechanical 3:
  lines w0.025: 32.004,58.292 cw(c32.004,58.279) 32.017,58.279 ; 31.674,55.119 31.674,58.292 39.434,58.292 ccw(c39.434,58.753) 39.895,58.753 39.895,59.936 cw(c40.183,59.936) 40.183,60.223 45.261,60.223 cw(c45.261,59.893) 45.591,59.893 45.591,53.416 cw(c45.337,53.416) 45.337,53.162 40.288,53.162 cw(c40.288,53.555) 39.895,53.555 39.895,54.83 ccw(c39.606,54.83) 39.606,55.119 31.674,55.119

## Text inside footprints (layer, text, board x,y; h text height)
C3: Top Overlay "+" at 45.94,36.433 h1
C8: Top Overlay "+" at 47.722,44.83 h1 r90
C26: Bottom Overlay "+" at 46.577,54.099 h1 r180
COM1: Top Overlay "5" at 23.266,7.609 h1 r180; Top Overlay "1" at 8.153,7.606 h1 r180; Mechanical 13 "SMD COM9M" at 17.522,2.93 h1 r180